# KiCad board px16_regfile.kicad_pcb (continued)
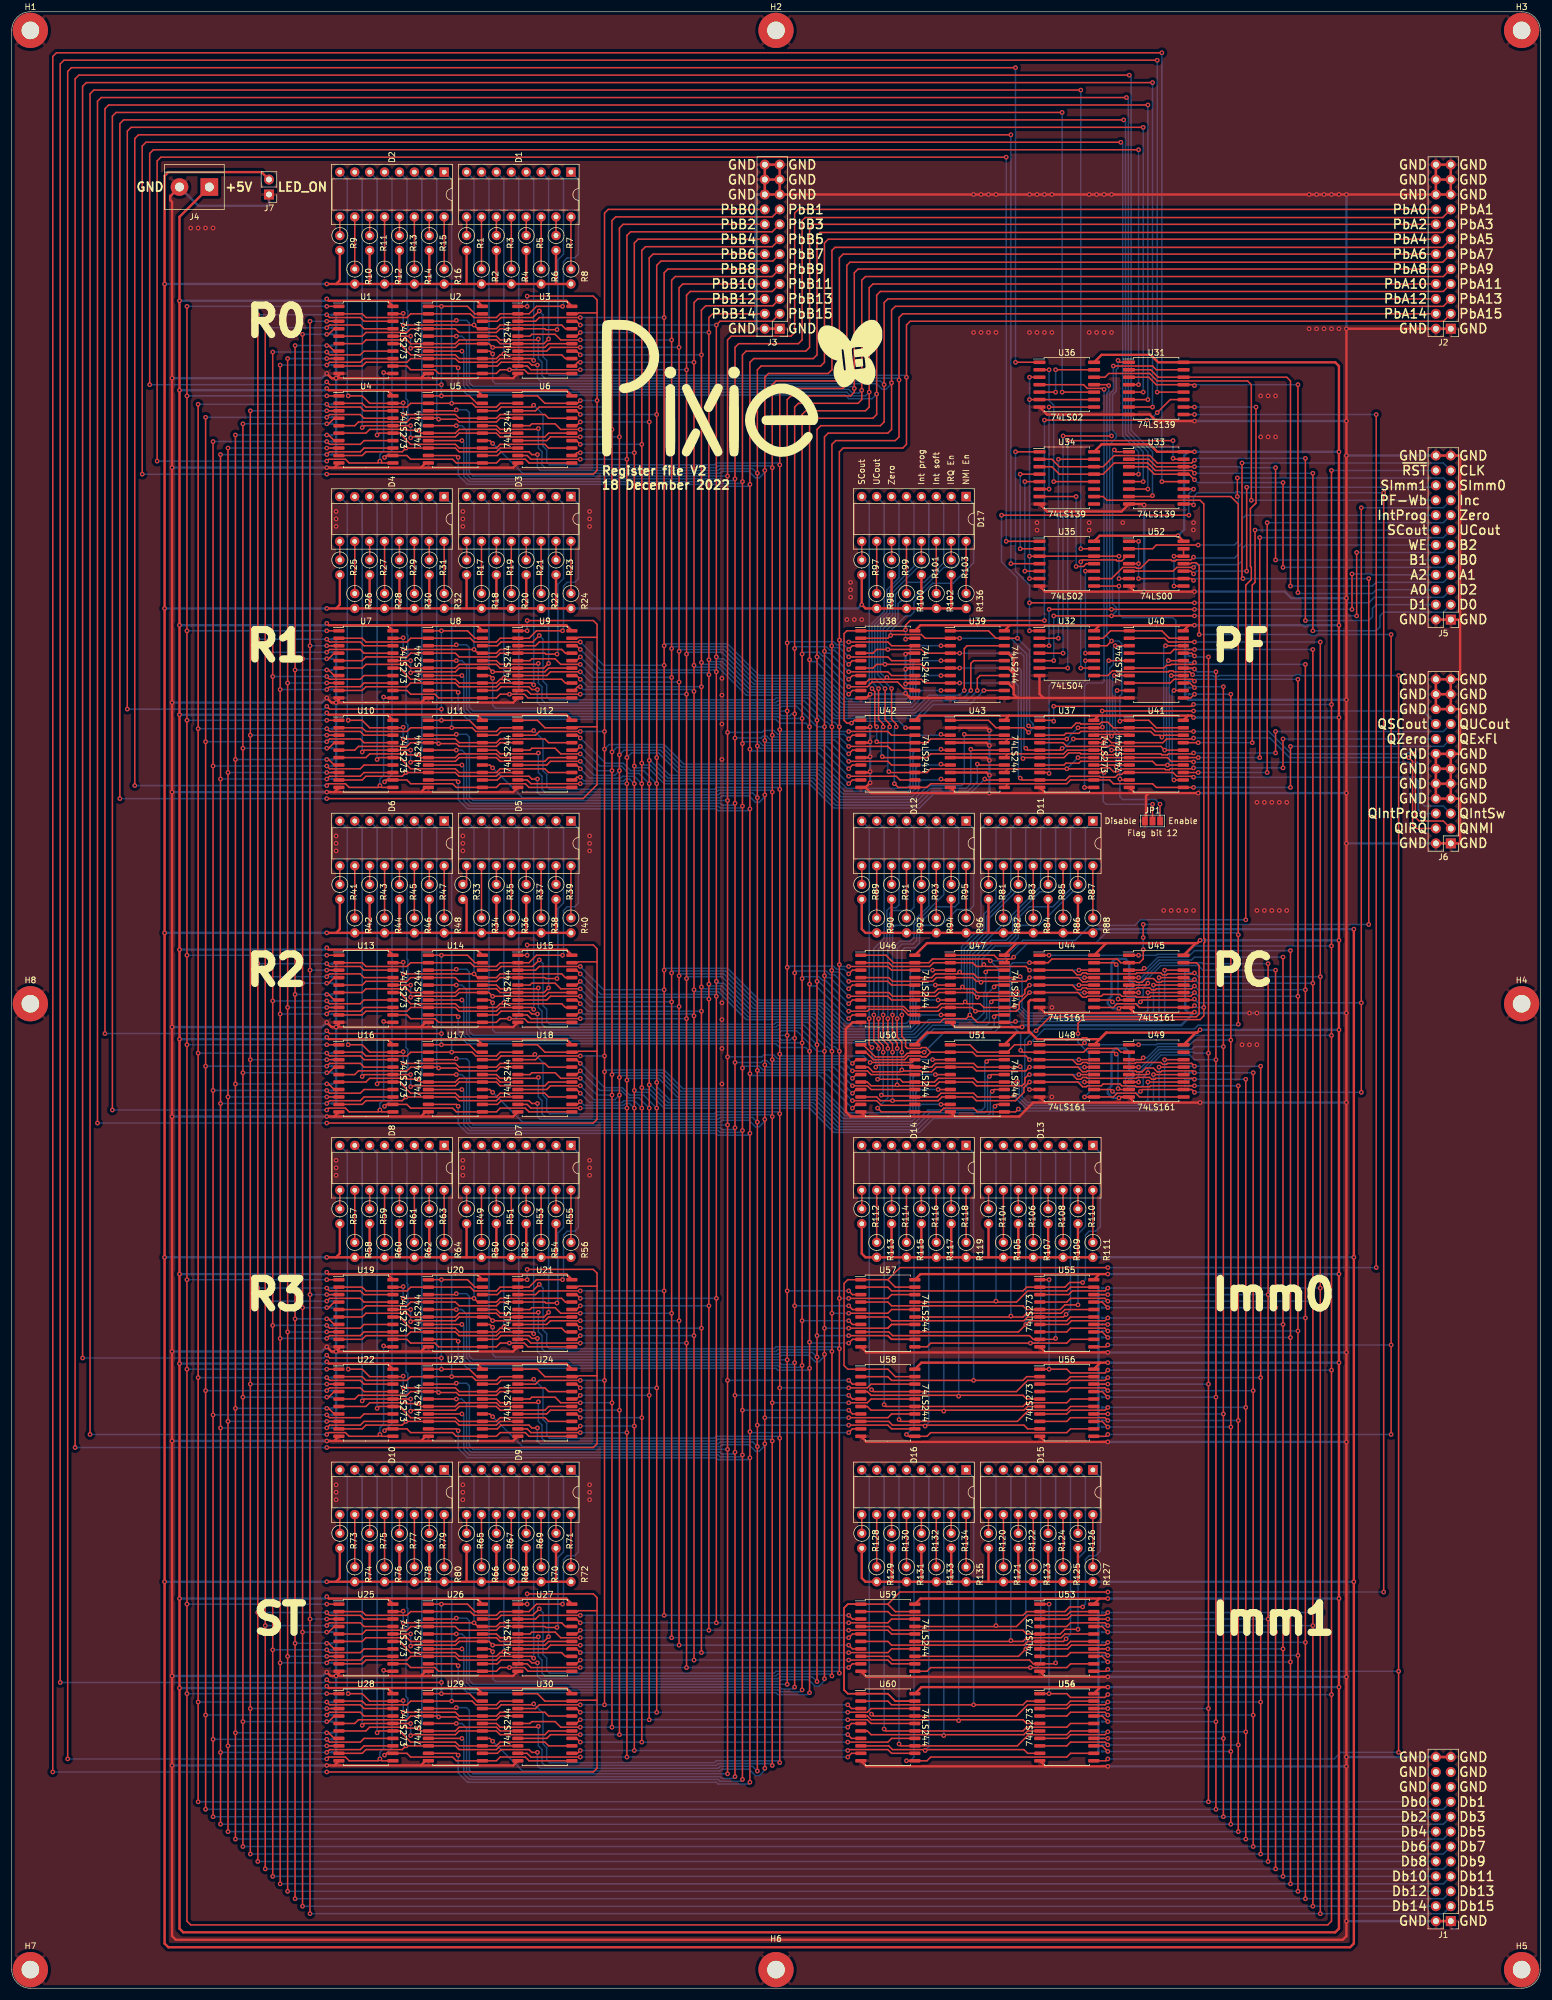
[diagram p0: board, top side]
## Routing (per net, layer and track width the routed paths; a pad name or vN(x,y) marks a point on that pad's centre or on a via; arc(x,y) is an arc through that point) (continued)
  Bottom w0.25: v1(197.01,226.06) 196.69,225.74 196.69,211.14 v1(196.37,210.82)
/DNMI: length 44.1
  Top w0.25: U40.18 v1(196.53,228.6) ; U37.3 179.23,213.36 179.55,213.68 181.77,213.68 182.09,214 193.99,214 194.63,213.36 195.58,213.36 v1(195.9,213.04) 196.22,213.36 U41.18
  Bottom w0.25: v1(195.9,213.04) 196.22,213.36 196.22,228.28 v1(196.53,228.6)
/DSCout: length 24.7
  Top w0.25: U41.3 190.19,213.52 187.64,213.52 v1(187.32,213.2) 187.03,213.49 184.44,213.49 U37.18 ; v1(187.96,228.6) U40.3
  Bottom w0.25: v1(187.32,213.2) 187.01,213.52 187.01,224.79 187.64,225.43 187.64,228.28 v1(187.96,228.6)
/DUCout: length 24.4
  Top w0.25: U37.17 185.9,212.09 v1(186.05,212.25) ; v1(187.32,210.82) U41.5 ; v1(186.85,226.06) U40.5
  Bottom w0.25: v1(187.32,210.82) 186.05,212.09 v1(186.05,212.25) 186.53,212.73 186.53,225.74 v1(186.85,226.06)
/DZero: length 24.8
  Top w0.25: U37.14 187.8,208.28 v1(188.12,207.96) 188.44,208.28 U41.7 ; U40.7 v1(187.8,223.52)
  Bottom w0.25: v1(188.12,207.96) 188.12,213.52 187.48,214.15 187.48,223.2 v1(187.8,223.52)
/Imm-WEa: length 341
  Top w0.25: v1(236.22,40.16) v1(236.22,53.98) v1(236.22,223.52) ; v1(186.69,39.05) 186.37,38.74 U54.11 ; U32.8 186.69,223.52 187.48,224.31 188.12,224.31 188.28,224.16 197.01,224.16 197.17,224.31 197.8,224.31 197.96,224.16 200.66,224.16 v1(201.14,223.68) ; v1(186.69,54.29) 186.37,53.98 U53.11
  Bottom w0.25: v1(186.69,54.29) 187.01,53.98 v1(236.22,53.98) ; v1(201.14,223.68) 201.29,223.52 204.63,223.52 204.79,223.36 205.42,223.36 205.58,223.52 218.6,223.52 218.76,223.68 219.39,223.68 219.55,223.52 v1(236.22,223.52) ; v1(186.69,39.05) 225.27,39.05 226.38,40.16 v1(236.22,40.16)
/Imm-WEb: length 285.3
  Top w0.25: v1(202.25,230.51) 202.25,242.25 201.77,242.73 200.98,242.73 200.82,242.57 U52.11 ; U55.11 186.37,109.22 v1(186.69,109.54) ; U56.11 186.37,93.98 v1(186.69,94.3) ; v1(234.95,94.3) v1(234.95,109.54) v1(234.95,230.51)
  Bottom w0.25: v1(234.95,230.51) 222.25,230.51 222.09,230.35 221.3,230.35 221.14,230.51 v1(202.25,230.51) ; v1(234.95,94.3) v1(186.69,94.3) ; v1(186.69,109.54) v1(234.95,109.54)
/ImmQa0: length 64.4
  Top w0.25: U57.2 149.22,119.38 149.86,118.75 172.24,118.75 172.88,119.38 U55.2 179.39,119.38 180.18,120.17 v1(182.4,120.17)
  Bottom w0.25: v1(182.4,120.17) 182.88,120.65 182.88,128.27 183.51,128.91 184.63,128.91 185.42,129.7 185.42,142.24 D13.1
/ImmQa1: length 66
  Top w0.25: v1(181.61,116.36) 179.39,116.36 178.59,115.57 U55.5 172.88,115.57 172.24,116.21 149.86,116.21 149.22,116.84 U57.4
  Bottom w0.25: v1(181.61,116.36) 181.61,128.43 182.88,129.7 182.88,142.24 D13.2
/ImmQa2: length 65.3
  Top w0.25: v1(179.58,114.74) 179.14,114.3 U55.6 173.04,114.3 172.4,113.67 149.86,113.67 149.22,114.3 U57.6
  Bottom w0.25: D13.3 180.34,142.24 180.34,115.5 v1(179.58,114.74)
/ImmQa3: length 67.2
  Top w0.25: v1(177.8,110.65) 177.64,110.49 U55.9 173.99,110.49 173.35,111.13 150.02,111.13 149.38,111.76 U57.8
  Bottom w0.25: D13.4 177.8,142.24 v1(177.8,110.65)
/ImmQa4: length 66.6
  Top w0.25: U57.11 155.89,109.22 156.52,109.85 173.5,109.85 v1(173.51,109.86) 173.52,109.85 179.69,109.85 180.34,110.49 U55.12
  Bottom w0.25: D13.5 175.26,142.24 175.26,110.49 174.62,109.86 v1(173.51,109.86)
/ImmQa5: length 62.6
  Top w0.25: U57.13 171.47,111.76 173.37,113.67 179.7,113.67 180.34,114.3 U55.15
  Bottom w0.25: v1(172.73,113.02) 172.72,113.02 172.72,142.24 D13.6
/ImmQa6: length 60.7
  Top w0.25: U57.15 170.02,114.3 v1(170.18,114.46) 170.34,114.3 172.24,114.3 172.88,114.94 178.75,114.94 179.39,115.57 U55.16
  Bottom w0.25: v1(170.18,114.46) 170.18,142.24 D13.7
/ImmQa7: length 58.7
  Top w0.25: U55.19 180.34,119.38 179.7,118.75 173.04,118.75 171.13,116.84 167.8,116.84 v1(167.64,117) 167.48,116.84 U57.17
  Bottom w0.25: v1(167.64,117) 167.64,142.24 D13.8
/ImmQa8: length 71.5
  Top w0.25: 175.1,104.14 172.88,104.14 172.24,103.51 v1(163.83,103.51) 149.86,103.51 149.22,104.14 144.62,104.14
  Bottom w0.25: v1(163.83,103.51) 163.83,142.24 D14.1
/ImmQa9: length 74.4
  Top w0.25: 144.62,101.6 145.73,101.6 146.37,100.97 161.13,100.97 v1(161.29,100.81) 161.45,100.97 172.24,100.97 172.88,100.33 175.1,100.33
  Bottom w0.25: v1(161.29,100.81) 161.29,142.24 D14.2
/ImmQa10: length 76.9
  Top w0.25: 175.1,99.06 173.03,99.06 172.4,98.43 158.91,98.43 v1(158.75,98.27) 158.59,98.43 146.37,98.43 145.73,99.06 144.62,99.06
  Bottom w0.25: D14.3 158.75,142.24 v1(158.75,98.27)
/ImmQa11: length 79.7
  Top w0.25: 144.62,96.52 149.38,96.52 150.01,95.89 155.42,95.89 v1(155.57,95.73) 155.73,95.89 172.4,95.89 173.03,95.25 175.1,95.25
  Bottom w0.25: v1(155.57,95.73) 156.21,96.36 156.21,142.24 D14.4
/ImmQa12: length 82.8
  Top w0.25: U58.11 152.72,93.98 v1(152.4,94.3) ; 153.82,93.98 155.89,93.98 156.51,94.61 179.69,94.61 180.34,95.25 184.3,95.25
  Bottom w0.25: D14.5 153.67,142.24 153.67,95.57 v1(152.4,94.3)
/ImmQa13: length 81.6
  Top w0.25: 153.82,96.52 171.29,96.52 173.19,98.43 179.7,98.43 180.34,99.06 184.3,99.06 ; v1(151.13,96.84) 151.45,96.52 U58.13
  Bottom w0.25: D14.6 151.13,142.24 v1(151.13,96.84)
/ImmQa14: length 81
  Top w0.25: 153.82,99.06 172.24,99.06 172.88,99.7 179.7,99.7 180.34,100.33 184.3,100.33 ; v1(148.59,99.38) 148.91,99.06 U58.15
  Bottom w0.25: v1(148.59,99.38) 148.59,142.24 D14.7
/ImmQa15: length 81.3
  Top w0.25: v1(146.44,101.92) 146.76,101.6 U58.17 ; 153.82,101.6 171.13,101.6 173.03,103.51 179.7,103.51 180.34,104.14 184.3,104.14
  Bottom w0.25: v1(146.44,101.92) 146.05,102.31 146.05,142.24 D14.8
/ImmQb0: length 64.4
  Top w0.25: U59.2 149.22,64.14 149.86,63.5 172.24,63.5 172.88,64.14 U53.2 179.39,64.14 180.18,64.93 v1(182.4,64.93)
  Bottom w0.25: v1(182.4,64.93) 182.88,65.41 182.88,73.03 183.51,73.66 184.63,73.66 185.42,74.45 185.42,87 D15.1
/ImmQb1: length 66
  Top w0.25: v1(181.61,61.12) 179.39,61.12 178.59,60.33 U53.5 172.88,60.33 172.24,60.96 150.02,60.96 149.38,61.6 U59.4
  Bottom w0.25: D15.2 182.88,87 182.88,74.45 181.61,73.18 v1(181.61,61.12)
/ImmQb2: length 65.3
  Top w0.25: U59.6 149.22,59.06 149.86,58.42 172.4,58.42 173.04,59.06 U53.6 179.14,59.06 v1(179.58,59.5)
  Bottom w0.25: v1(179.58,59.5) 180.34,60.25 180.34,87 D15.3
/ImmQb3: length 67.2
  Top w0.25: U59.8 149.38,56.52 150.02,55.88 173.35,55.88 173.99,55.25 177.64,55.25 v1(177.8,55.4)
  Bottom w0.25: v1(177.8,55.4) 177.8,87 D15.4
/ImmQb4: length 66.6
  Top w0.25: 184.3,55.25 180.34,55.25 179.69,54.6 173.52,54.6 v1(173.51,54.61) 173.5,54.6 156.52,54.6 155.89,53.98 U59.11
  Bottom w0.25: D15.5 175.26,87 175.26,55.25 174.62,54.61 v1(173.51,54.61)
/ImmQb5: length 62.6
  Top w0.25: U53.15 180.34,59.06 179.7,58.42 173.37,58.42 171.47,56.52 U59.13
  Bottom w0.25: D15.6 172.72,87 172.72,57.78 v1(172.73,57.77)
/ImmQb6: length 60.7
  Top w0.25: U53.16 179.39,60.33 178.75,59.69 172.88,59.69 172.24,59.06 170.34,59.06 v1(170.18,59.21) 170.02,59.06 U59.15
  Bottom w0.25: D15.7 170.18,87 v1(170.18,59.21)
/ImmQb7: length 58.7
  Top w0.25: U59.17 167.48,61.6 v1(167.64,61.75) 167.8,61.6 171.13,61.6 173.04,63.5 179.7,63.5 180.34,64.14 U53.19
  Bottom w0.25: v1(167.64,61.75) 167.64,87 D15.8
/ImmQb8: length 71.5
  Top w0.25: 175.1,48.9 172.88,48.9 172.24,48.26 v1(163.83,48.26) 149.86,48.26 149.22,48.9 144.62,48.9
  Bottom w0.25: v1(163.83,48.26) 163.83,87 D16.1
/ImmQb9: length 74.4
  Top w0.25: 144.62,46.36 145.73,46.36 146.37,45.72 161.13,45.72 v1(161.29,45.56) 161.45,45.72 172.24,45.72 172.88,45.09 175.1,45.09
  Bottom w0.25: D16.2 161.29,87 v1(161.29,45.56)
/ImmQb10: length 76.9
  Top w0.25: 175.1,43.82 173.03,43.82 172.4,43.18 158.91,43.18 v1(158.75,43.02) 158.59,43.18 146.37,43.18 145.73,43.82 144.62,43.82
  Bottom w0.25: v1(158.75,43.02) 158.75,87 D16.3
/ImmQb11: length 79.7
  Top w0.25: 175.1,40.01 173.03,40.01 172.4,40.64 155.73,40.64 v1(155.57,40.48) 155.42,40.64 150.01,40.64 149.38,41.28 144.62,41.28
  Bottom w0.25: D16.4 156.21,87 156.21,41.12 v1(155.57,40.48)
/ImmQb12: length 83.4
  Top w0.25: 184.3,40.01 180.34,40.01 179.69,39.36 156.51,39.36 155.89,38.74 153.82,38.74 ; v1(152.4,38.74) U60.11
  Bottom w0.25: D16.5 153.67,87 153.67,39.37 153.03,38.74 v1(152.4,38.74)
/ImmQb13: length 81.6
  Top w0.25: 153.82,41.28 171.29,41.28 173.19,43.18 179.7,43.18 180.34,43.82 184.3,43.82 ; v1(151.13,41.59) 151.45,41.28 U60.13
  Bottom w0.25: D16.6 151.13,87 v1(151.13,41.59)
/ImmQb14: length 81
  Top w0.25: 184.3,45.09 180.34,45.09 179.7,44.45 172.88,44.45 172.24,43.82 153.82,43.82 ; U60.15 148.91,43.82 v1(148.59,44.13)
  Bottom w0.25: v1(148.59,44.13) 148.59,87 D16.7
/ImmQb15: length 81.3
  Top w0.25: 184.3,48.9 180.34,48.9 179.7,48.26 173.03,48.26 171.13,46.36 153.82,46.36 ; U60.17 146.76,46.36 v1(146.44,46.67)
  Bottom w0.25: v1(146.44,46.67) 146.05,47.06 146.05,87 D16.8
/Inc: length 207.9
  Top w0.25: v1(187.48,167.96) 187.17,168.28 184.35,168.28 ; v1(201.45,168.43) 201.29,168.28 192.56,168.28 v1(192.25,167.96) ; v1(201.45,152.56) 200.98,153.04 U49.10 192.56,153.04 v1(192.25,152.72) ; v1(229.87,252.1) v1(229.87,167.8) v1(229.87,152.56) ; U48.10 187.17,153.04 v1(187.48,152.72)
  Bottom w0.25: v1(192.25,152.72) 191.93,152.4 187.8,152.4 v1(187.48,152.72) ; v1(192.25,167.96) 191.93,167.64 187.8,167.64 v1(187.48,167.96) ; v1(229.87,167.8) 202.09,167.8 v1(201.45,168.43) ; v1(201.45,152.56) v1(229.87,152.56) ; v1(229.87,252.1) 243.84,252.1 J5.17
/IntProg: length 66.2
  Top w0.25: U35.9 187.32,240.03 189.23,241.94 191.45,241.94 191.61,241.78 192.25,241.78 193.67,243.21 197.48,243.21 197.64,243.05 198.19,243.05 198.36,243.22 200.83,243.22 v1(201.29,243.68)
  Bottom w0.25: J5.16 210.19,250.83 209.55,250.19 209.55,246.06 208.91,245.43 208.91,244.16 208.28,243.52 201.45,243.52 v1(201.29,243.68)
/LED_GND: length 1749.2
  Top w0.4: R25.2 55.88,235.59 55.25,234.95 ; R39.2 92.71,179.71 ; 92.71,179.71 R40.2 ; 92.71,179.71 R38.2 87.63,179.71 ; R49.2 77.47,124.46 ; 77.47,124.46 R64.2 71.12,124.46 ; 77.47,124.46 R50.2 82.55,124.46 ; 176.53,124.46 R109.2 181.61,124.46 ; 176.53,124.46 R108.2 ; 176.53,124.46 R107.2 171.45,124.46 ; R134.2 160.02,69.22 ; 160.02,69.22 R135.2 166.37,69.22 ; 160.02,69.22 R133.2 154.94,69.22 ; 154.94,69.22 R131.2 149.86,69.22 ; 154.94,69.22 R132.2 ; R106.2 171.45,124.46 ; 171.45,124.46 R105.2 166.37,124.46 ; R120.2 166.37,69.22 ; 166.37,69.22 R121.2 171.45,69.22 ; J7.2 42.55,309.25 26.67,309.25 26.04,308.61 v1(26.04,290.2) v1(26.04,234.95) v1(26.04,179.71) v1(26.04,124.46) v1(26.04,69.22) 26.04,7.62 26.67,6.99 227.96,6.99 228.6,7.62 v1(228.6,69.22) v1(228.6,124.46) v1(228.6,180.34) ; 60.96,234.95 R28.2 66.04,234.95 ; 60.96,234.95 R26.2 55.25,234.95 ; 60.96,234.95 R27.2 ; 60.96,69.22 R76.2 66.04,69.22 ; 60.96,69.22 R74.2 55.25,69.22 ; 60.96,69.22 R75.2 ; 77.47,69.22 R80.2 71.12,69.22 ; 77.47,69.22 R66.2 82.55,69.22 ; 77.47,69.22 R65.2 ; 149.86,179.71 R92.2 154.94,179.71 ; 149.86,179.71 R90.2 145.41,179.71 144.78,180.34 R89.2 ; 149.86,179.71 R91.2 ; 77.47,179.71 R48.2 71.12,179.71 ; 77.47,179.71 R34.2 82.55,179.71 ; 77.47,179.71 77.47,185.42 ; R114.2 149.86,124.46 ; 149.86,124.46 R113.2 145.41,124.46 144.78,125.1 R112.2 ; 149.86,124.46 R115.2 154.94,124.46 ; R79.2 71.12,69.22 ; 71.12,69.22 R78.2 66.04,69.22 ; 92.71,290.2 R8.2 ; 92.71,290.2 R7.2 ; 92.71,290.2 R6.2 87.63,290.2 ; 160.02,234.95 R103.2 ; 160.02,234.95 R102.2 154.94,234.95 ; 160.02,234.95 R136.2 ; R21.2 87.63,234.95 ; 87.63,234.95 R20.2 82.55,234.95 ; 87.63,234.95 R22.2 92.71,234.95 ; R1.2 77.47,290.2 ; 77.47,290.2 R2.2 82.55,290.2 ; 77.47,290.2 R16.2 71.12,290.2 ; 160.02,124.46 R119.2 166.37,124.46 ; 160.02,124.46 R117.2 154.94,124.46 ; 160.02,124.46 R118.2 ; R59.2 60.96,124.46 ; 60.96,124.46 R60.2 66.04,124.46 ; 60.96,124.46 R58.2 55.25,124.46 ; 55.25,290.2 55.88,290.83 R9.2 ; 55.25,290.2 v1(53.66,290.2) ; 55.25,290.2 R10.2 60.96,290.2 ; 82.55,290.2 R4.2 87.63,290.2 ; 82.55,290.2 R3.2 ; 87.63,124.46 R52.2 82.55,124.46 ; 87.63,124.46 R53.2 ; 87.63,124.46 R54.2 92.71,124.46 ; 82.55,234.95 R18.2 77.47,234.95 ; 82.55,234.95 R19.2 ; 171.45,69.22 R123.2 176.53,69.22 ; 171.45,69.22 R122.2 ; R67.2 82.55,69.22 ; 82.55,69.22 R68.2 87.63,69.22 ; 82.55,124.46 R51.2 ; 171.45,179.71 R84.2 176.53,179.71 ; 171.45,179.71 R82.2 166.37,179.71 ; 171.45,179.71 R83.2 ; 55.25,69.22 v1(53.66,69.22) ; 55.25,69.22 55.88,69.85 R73.2 ; 55.25,179.71 v1(53.66,179.71) ; 55.25,179.71 R42.2 60.96,179.71 ; 55.25,179.71 55.88,180.34 R41.2 ; R13.2 66.04,290.2 ; 66.04,290.2 R12.2 60.96,290.2 ; 66.04,290.2 R14.2 71.12,290.2 ; 160.02,179.71 R96.2 166.37,179.71 ; 160.02,179.71 R94.2 154.94,179.71 ; 160.02,179.71 R95.2 ; R35.2 82.55,179.71 ; 82.55,179.71 R36.2 87.63,179.71 ; 92.71,234.95 R23.2 ; 92.71,234.95 R24.2 ; R71.2 92.71,69.22 ; 92.71,69.22 R70.2 87.63,69.22 ; 92.71,69.22 R72.2 ; 149.86,69.22 R129.2 145.41,69.22 144.78,69.85 R128.2 ; 149.86,69.22 R130.2 ; 60.96,290.2 R11.2 ; 154.94,234.95 R100.2 149.86,234.95 ; 154.94,234.95 R101.2 ; 176.53,179.71 R85.2 ; 176.53,179.71 R86.2 181.61,179.71 ; 66.04,234.95 R30.2 71.12,234.95 ; 66.04,234.95 R29.2 ; 166.37,179.71 R81.2 ; 87.63,290.2 R5.2 ; R104.2 166.37,124.46 ; 154.94,124.46 R116.2 ; R57.2 55.88,125.1 55.25,124.46 ; 87.63,69.22 R69.2 ; R63.2 71.12,124.46 ; 71.12,124.46 R62.2 66.04,124.46 ; 181.61,69.22 R127.2 ; 181.61,69.22 R125.2 176.53,69.22 ; 181.61,69.22 R126.2 ; R77.2 66.04,69.22 ; 66.04,179.71 R46.2 71.12,179.71 ; 66.04,179.71 R44.2 60.96,179.71 ; 66.04,179.71 R45.2 ; 176.53,69.22 R124.2 ; 181.61,179.71 R87.2 ; 181.61,179.71 R88.2 ; R37.2 87.63,179.71 ; 92.71,124.46 R56.2 ; 92.71,124.46 R55.2 ; 181.61,124.46 R111.2 ; 181.61,124.46 R110.2 ; R93.2 154.94,179.71 ; R15.2 71.12,290.2 ; 71.12,234.95 R32.2 77.47,234.95 ; 71.12,234.95 R31.2 ; 149.86,234.95 R99.2 ; 149.86,234.95 R98.2 145.41,234.95 v1(144.78,235.59) R97.2 ; 60.96,179.71 R43.2 ; 66.04,124.46 R61.2 ; 71.12,179.71 R47.2 ; 55.25,124.46 v1(53.66,124.46) ; 55.25,234.95 v1(53.66,234.95) ; 77.47,234.95 R17.2
  Bottom w0.4: v1(53.66,179.71) v1(26.04,179.71) ; v1(53.66,290.2) v1(26.04,290.2) ; v1(228.6,180.34) 184.78,180.34 R88.2 ; v1(53.66,69.22) v1(26.04,69.22) ; v1(144.78,235.59) 144.14,234.95 R24.2 ; v1(53.66,124.46) v1(26.04,124.46) ; v1(53.66,234.95) v1(26.04,234.95) ; R111.2 v1(228.6,124.46) ; R127.2 v1(228.6,69.22)
/PbA0: length 747.1
  Top w0.25: J2.3 243.84,283.85 153.03,283.85 152.4,283.21 152.4,262.89 151.76,262.25 141.6,262.25 140.97,261.62 v1(140.97,229.55) v1(140.97,214.79) v1(140.97,117.48) v1(140.97,108.9) v1(140.97,53.66) ; 149.22,117.48 149.86,118.11 U57.18 ; v1(89.85,285.59) 88.74,284.48 83.34,284.48 82.71,283.85 U2.18 ; v1(89.85,64.61) 88.74,63.5 83.34,63.5 82.71,62.87 80.17,62.87 ; U38.18 149.86,228.6 149.22,229.24 v1(142.56,229.24) ; v1(142.56,173.99) 149.22,173.99 149.86,173.36 U46.18 ; v1(89.85,175.1) 88.74,173.99 83.34,173.99 82.71,173.36 U14.18 ; 149.22,117.47 142.57,117.47 ; v1(89.85,230.35) 88.74,229.24 83.34,229.24 82.71,228.6 U8.18 ; v1(89.85,119.86) 88.74,118.75 83.34,118.75 82.71,118.11 U20.18
  Bottom w0.25: v1(142.56,117.48) v1(140.97,117.48) ; v1(89.85,175.1) 90.49,174.47 90.49,167.32 91.12,166.69 91.12,164.62 91.6,164.15 129.86,164.15 130.17,164.47 135.57,164.47 139.7,160.34 140.18,160.34 v1(140.97,159.54) ; v1(140.97,108.9) 140.65,109.22 130.17,109.22 129.86,108.9 91.6,108.9 91.12,109.38 91.12,111.44 90.49,112.08 90.49,119.22 v1(89.85,119.86) ; v1(89.85,285.59) 90.49,284.96 90.49,277.81 91.12,277.18 91.12,275.11 91.6,274.64 152.08,274.64 v1(152.4,274.32) ; v1(140.97,229.55) 141.29,229.24 v1(142.56,229.24) ; v1(140.97,174.31) 141.29,173.99 v1(142.56,173.99) ; v1(140.97,214.79) 140.18,215.58 139.7,215.58 135.57,219.71 130.17,219.71 129.86,219.39 91.6,219.39 91.12,219.87 91.12,221.93 90.49,222.57 90.49,229.71 v1(89.85,230.35) ; v1(140.97,53.66) 140.65,53.98 130.17,53.98 129.86,53.66 91.6,53.66 91.12,54.13 91.12,56.2 90.49,56.83 90.49,63.98 v1(89.85,64.61)
/PbA1: length 723.9
  Top w0.25: v1(142.56,171.45) 149.22,171.45 149.86,170.82 U46.16 ; U8.16 82.55,226.06 83.19,225.43 89.54,225.43 v1(89.69,225.58) ; v1(139.7,53.18) v1(139.7,108.43) v1(139.7,114.94) v1(139.7,214.79) 139.7,228.53 v1(139.66,228.56) 139.7,228.6 139.7,262.89 140.33,263.53 150.5,263.53 151.13,264.16 v1(151.13,273.84) 151.13,284.48 151.76,285.12 J2.4 ; U26.16 82.55,60.33 83.19,59.69 89.54,59.69 v1(89.69,59.85) ; U14.16 82.55,170.82 83.19,170.18 89.54,170.18 v1(89.69,170.34) ; U38.16 149.86,226.06 149.22,226.7 v1(142.56,226.7) ; 80.17,281.31 82.55,281.31 83.19,280.67 89.54,280.67 v1(89.69,280.83) ; v1(142.56,114.94) 149.22,114.94 149.86,115.57 U57.16 ; v1(89.69,115.09) 89.54,114.94 83.19,114.94 82.55,115.57 U20.16
  Bottom w0.25: v1(139.66,173.32) 139.95,173.04 140.97,173.04 v1(142.56,171.45) ; v1(89.69,280.83) 89.69,277.5 90.33,276.86 90.33,274.64 90.81,274.16 150.81,274.16 v1(151.13,273.84) ; v1(139.7,214.79) 138.91,215.58 138.59,215.58 134.94,219.23 130.49,219.23 130.17,218.92 90.81,218.92 90.33,219.39 90.33,221.62 89.69,222.25 v1(89.69,225.58) ; v1(89.69,59.85) 89.69,56.52 90.33,55.88 90.33,53.66 90.81,53.18 130.17,53.18 130.49,53.5 139.38,53.5 v1(139.7,53.18) ; v1(142.56,114.94) v1(139.7,114.94) ; v1(89.69,170.34) 89.69,167.01 90.33,166.37 90.33,164.15 90.81,163.67 130.17,163.67 130.49,163.99 134.94,163.99 138.59,160.34 138.91,160.34 v1(139.7,159.54) ; v1(142.56,226.7) 140.97,228.28 139.95,228.28 v1(139.66,228.56) ; v1(139.7,108.43) 139.38,108.74 130.49,108.74 130.17,108.43 90.81,108.43 90.33,108.9 90.33,111.13 89.69,111.76 v1(89.69,115.09)
/PbA2: length 729
  Top w0.25: v1(81.92,223.04) 81.44,223.52 U8.14 ; 149.86,113.03 149.22,112.4 ; 149.86,113.03 U57.14 149.86,113.03 ; 149.86,113.03 149.22,112.4 ; 149.22,112.4 v1(142.56,112.4) ; U46.14 149.86,168.28 149.22,168.91 v1(142.56,168.91) ; v1(81.92,57.31) 81.44,57.79 80.17,57.79 ; v1(142.56,224.16) 149.22,224.16 149.86,223.52 U38.14 ; U2.14 81.44,278.77 v1(81.92,278.29) ; v1(81.92,112.55) 81.44,113.03 U20.14 ; v1(138.43,52.71) v1(138.43,107.95) v1(138.43,112.4) v1(138.43,214.79) v1(138.43,227.65) 138.43,264.16 139.06,264.8 149.22,264.8 149.86,265.43 v1(149.86,273.37) 149.86,285.75 150.5,286.39 243.84,286.39 J2.5 ; U14.14 81.44,168.28 v1(81.92,167.8)
  Bottom w0.25: v1(142.56,112.4) v1(138.43,112.4) ; v1(142.56,224.16) 139.38,227.33 138.75,227.33 v1(138.43,227.65) ; v1(138.43,107.95) 138.43,107.63 137.48,106.68 136.84,106.68 135.73,107.79 131.13,107.79 130.81,107.47 82.39,107.47 81.92,107.95 v1(81.92,112.55) ; v1(138.43,214.79) 137.16,214.79 133.67,218.28 131.13,218.28 130.81,217.96 82.39,217.96 81.92,218.44 v1(81.92,223.04) ; v1(81.92,57.31) 81.92,52.71 82.39,52.23 130.81,52.23 131.13,52.55 135.73,52.55 136.84,51.44 137.48,51.44 138.43,52.39 v1(138.43,52.71) ; v1(138.43,172.4) 138.75,172.09 139.38,172.09 v1(142.56,168.91) ; v1(81.92,167.8) 81.92,163.2 82.39,162.72 130.81,162.72 131.13,163.04 133.67,163.04 137.16,159.54 v1(138.43,159.54) ; v1(149.86,273.37) 149.86,273.21 148.91,272.26 148.27,272.26 147.32,273.21 82.39,273.21 81.92,273.69 v1(81.92,278.29)
/PbA3: length 715.1
  Top w0.25: U38.12 153.51,221.3 152.01,221.3 150.9,222.41 146.53,222.41 145.73,221.62 v1(142.56,221.62) ; v1(89.54,221.14) 88.58,221.14 88.11,221.62 83.34,221.62 82.71,220.98 U8.12 ; 149.86,110.49 U57.12 149.86,110.49 ; 149.86,110.49 149.22,111.13 ; 149.86,110.49 149.22,111.13 ; v1(89.54,165.89) 88.58,165.89 88.11,166.37 83.34,166.37 82.71,165.74 U14.12 ; v1(89.54,55.4) 88.58,55.4 88.11,55.88 83.34,55.88 82.71,55.25 80.17,55.25 ; v1(142.56,166.37) 145.73,166.37 146.05,166.69 151.76,166.69 152.72,165.74 U46.12 ; v1(137.16,52.23) v1(137.16,107.47) v1(137.16,111.13) v1(137.16,215.9) v1(137.16,226.7) 137.16,265.43 137.79,266.07 147.95,266.07 148.59,266.7 148.59,287.02 149.22,287.66 J2.6 ; v1(89.54,110.65) 88.58,110.65 88.11,111.13 83.34,111.13 82.71,110.49 U20.12 ; v1(89.54,276.38) 88.58,276.38 88.11,276.86 83.34,276.86 82.71,276.23 U2.12 ; 149.22,111.13 v1(142.56,111.13)
  Bottom w0.25: v1(89.54,55.4) 89.54,53.18 90.01,52.71 130.49,52.71 130.81,53.02 136.37,53.02 v1(137.16,52.23) ; v1(89.54,110.65) 89.54,108.43 90.01,107.95 130.49,107.95 130.81,108.27 136.37,108.27 v1(137.16,107.47) ; v1(89.54,276.38) 89.54,274.16 90.01,273.69 147.95,273.69 v1(148.59,273.05) ; v1(142.56,166.37) 137.48,171.45 v1(137.16,171.45) ; v1(89.54,165.89) 89.54,163.67 90.01,163.2 130.49,163.2 130.81,163.51 134.3,163.51 v1(137.16,160.66) ; v1(142.56,221.62) 137.48,226.7 v1(137.16,226.7) ; v1(137.16,215.9) 134.3,218.76 130.81,218.76 130.49,218.44 90.01,218.44 89.54,218.92 v1(89.54,221.14) ; v1(142.56,111.13) v1(137.16,111.13)
/PbA4: length 736.4
  Top w0.25: v1(142.56,220.35) 143.19,220.98 U38.9 ; v1(76.04,275.91) 75.72,276.23 U2.9 ; v1(76.04,220.66) 75.72,220.98 U8.9 ; v1(142.56,109.86) 143.19,110.49 U57.9 ; U46.9 143.19,165.74 v1(142.56,165.1) ; J2.7 243.84,288.93 147.95,288.93 147.32,288.29 v1(147.32,271.46) 147.32,267.97 146.69,267.34 136.52,267.34 135.89,266.7 v1(135.89,226.22) v1(135.89,214.79) v1(135.89,110.01) v1(135.89,105.57) v1(135.89,50.32) ; v1(76.04,54.93) 75.72,55.25 70.97,55.25 ; v1(76.04,165.42) 75.72,165.74 U14.9 ; U20.9 75.72,110.49 v1(76.04,110.17)
  Bottom w0.25: v1(142.56,220.35) 137,225.9 136.21,225.9 v1(135.89,226.22) ; v1(135.89,170.97) 136.21,170.66 137,170.66 v1(142.56,165.1) ; v1(135.89,214.79) 135.25,215.42 130.81,215.42 130.17,216.06 77.63,216.06 76.04,217.65 v1(76.04,220.66) ; v1(135.89,159.54) 135.25,160.18 130.81,160.18 130.17,160.81 77.63,160.81 76.04,162.4 v1(76.04,165.42) ; v1(76.04,54.93) 76.04,51.91 77.63,50.32 130.17,50.32 130.49,50.01 135.57,50.01 v1(135.89,50.32) ; v1(76.04,275.91) 76.04,272.89 77.63,271.3 141.92,271.3 142.56,270.67 146.53,270.67 v1(147.32,271.46) ; v1(135.89,105.57) 135.57,105.25 130.49,105.25 130.17,105.57 77.63,105.57 76.04,107.16 v1(76.04,110.17) ; v1(142.56,109.86) 136.05,109.86 v1(135.89,110.01)
/PbA5: length 743.3
  Top w0.25: 70.97,57.79 v1(76.68,57.79) ; U2.7 v1(76.68,278.77) ; U57.7 143.19,113.03 v1(142.56,113.67) ; U20.7 v1(76.68,113.03) ; U46.7 143.19,168.28 v1(142.56,167.64) ; J2.8 146.69,290.2 146.05,289.56 v1(146.05,271.78) 146.05,269.24 145.41,268.61 135.25,268.61 134.62,267.97 v1(134.62,227.17) v1(134.62,216.22) v1(134.62,113.67) v1(134.62,106.05) v1(134.62,50.8) ; U14.7 v1(76.68,168.28) ; U8.7 v1(76.68,223.52) ; U38.7 143.19,223.52 v1(142.56,222.89)
  Bottom w0.25: v1(146.05,271.78) 145.41,271.15 142.88,271.15 142.24,271.78 77.95,271.78 76.99,272.73 76.99,278.45 v1(76.68,278.77) ; v1(134.62,160.97) 130.81,160.97 130.49,161.29 77.95,161.29 76.99,162.24 76.99,167.96 v1(76.68,168.28) ; v1(142.56,167.64) 138.59,171.61 138.11,171.61 137.48,172.24 134.94,172.24 v1(134.62,171.93) ; v1(134.62,106.05) 134.3,105.73 130.81,105.73 130.49,106.05 77.95,106.05 76.99,107 76.99,112.71 v1(76.68,113.03) ; v1(134.62,50.8) 134.3,50.48 130.81,50.48 130.49,50.8 77.95,50.8 76.99,51.75 76.99,57.47 v1(76.68,57.79) ; v1(134.62,227.17) 134.94,227.49 137.48,227.49 138.11,226.85 138.59,226.85 v1(142.56,222.89) ; v1(134.62,216.22) 130.81,216.22 130.49,216.54 77.95,216.54 76.99,217.49 76.99,223.2 v1(76.68,223.52) ; v1(142.56,113.67) v1(134.62,113.67)
/PbA6: length 754.2
  Top w0.25: U46.5 143.19,170.82 v1(142.56,170.18) ; v1(142.56,116.21) 143.19,115.57 U57.5 ; U14.5 v1(75.72,170.82) ; v1(133.35,51.28) v1(133.35,106.52) v1(133.35,116.21) v1(133.35,161.77) v1(133.35,217.01) v1(133.35,228.12) 133.35,269.24 133.98,269.88 144.14,269.88 144.78,270.51 v1(144.78,272.1) 144.78,290.83 145.41,291.47 243.84,291.47 J2.9 ; v1(142.56,225.43) 143.19,226.06 U38.5 ; U26.5 v1(75.72,60.33) ; U20.5 v1(75.72,115.57) ; U8.5 v1(75.72,226.06) ; 70.97,281.31 v1(75.72,281.31)
  Bottom w0.25: v1(75.72,170.82) 76.68,170.82 77.47,170.02 77.47,162.56 78.26,161.77 130.81,161.77 131.13,161.45 132.56,161.45 132.87,161.77 v1(133.35,161.77) ; v1(75.72,281.31) 76.68,281.31 77.47,280.51 77.47,273.05 78.26,272.26 142.56,272.26 143.19,271.62 144.3,271.62 v1(144.78,272.1) ; v1(142.56,116.21) v1(133.35,116.21) ; v1(133.35,51.28) 133.03,50.96 131.13,50.96 130.81,51.28 78.26,51.28 77.47,52.07 77.47,59.53 76.68,60.33 v1(75.72,60.33) ; v1(133.35,106.52) 133.03,106.2 131.13,106.2 130.81,106.52 78.26,106.52 77.47,107.32 77.47,114.78 76.68,115.57 v1(75.72,115.57) ; v1(142.56,170.18) 140.18,172.56 139.38,172.56 138.75,173.2 133.67,173.2 v1(133.35,172.88) ; v1(75.72,226.06) 76.68,226.06 77.47,225.27 77.47,217.81 78.26,217.01 130.81,217.01 131.13,216.69 132.56,216.69 132.87,217.01 v1(133.35,217.01) ; v1(133.35,228.12) 133.67,228.44 138.75,228.44 139.38,227.81 140.18,227.81 v1(142.56,225.43)
/PbA7: length 760.6
  Top w0.25: J2.10 144.14,292.74 143.51,292.1 143.51,271.78 142.88,271.15 132.72,271.15 132.08,270.51 v1(132.08,229.08) v1(132.08,217.49) v1(132.08,162.24) v1(132.08,118.75) v1(132.08,107) v1(132.08,51.75) ; v1(142.56,172.72) 143.19,173.36 U46.3 ; 70.97,62.87 75.57,62.87 v1(75.72,63.02) ; v1(75.72,284) 75.57,283.85 U2.3 ; v1(142.56,118.75) 143.19,118.11 U57.3 ; U8.3 75.57,228.6 v1(75.72,228.76) ; U14.3 75.57,173.36 v1(75.72,173.51) ; U20.3 75.57,118.11 v1(75.72,118.27) ; U38.3 143.19,228.6 v1(142.56,227.97)
  Bottom w0.25: v1(142.56,172.72) 141.76,173.51 140.49,173.51 139.96,174.04 132.29,174.04 v1(132.08,173.83) ; v1(75.72,228.76) 77.47,228.76 77.95,228.28 77.95,218.12 78.58,217.49 v1(132.08,217.49) ; v1(75.72,173.51) 77.47,173.51 77.95,173.04 77.95,162.88 78.58,162.24 v1(132.08,162.24) ; v1(142.56,118.75) v1(132.08,118.75) ; v1(75.72,118.27) 77.47,118.27 77.95,117.79 77.95,107.63 78.58,107 v1(132.08,107) ; v1(142.56,227.97) 141.76,228.76 140.49,228.76 139.96,229.29 132.29,229.29 v1(132.08,229.08) ; v1(132.08,51.75) 78.58,51.75 77.95,52.39 77.95,62.55 77.47,63.02 v1(75.72,63.02) ; v1(75.72,284) 77.47,284 77.95,283.53 77.95,273.37 78.58,272.73 143.19,272.73 v1(143.51,272.42)
